# EAGLE board RedBoard-GiantPanel-v21a (EAGLE 7.5.0), part 3 of 4 (continued)
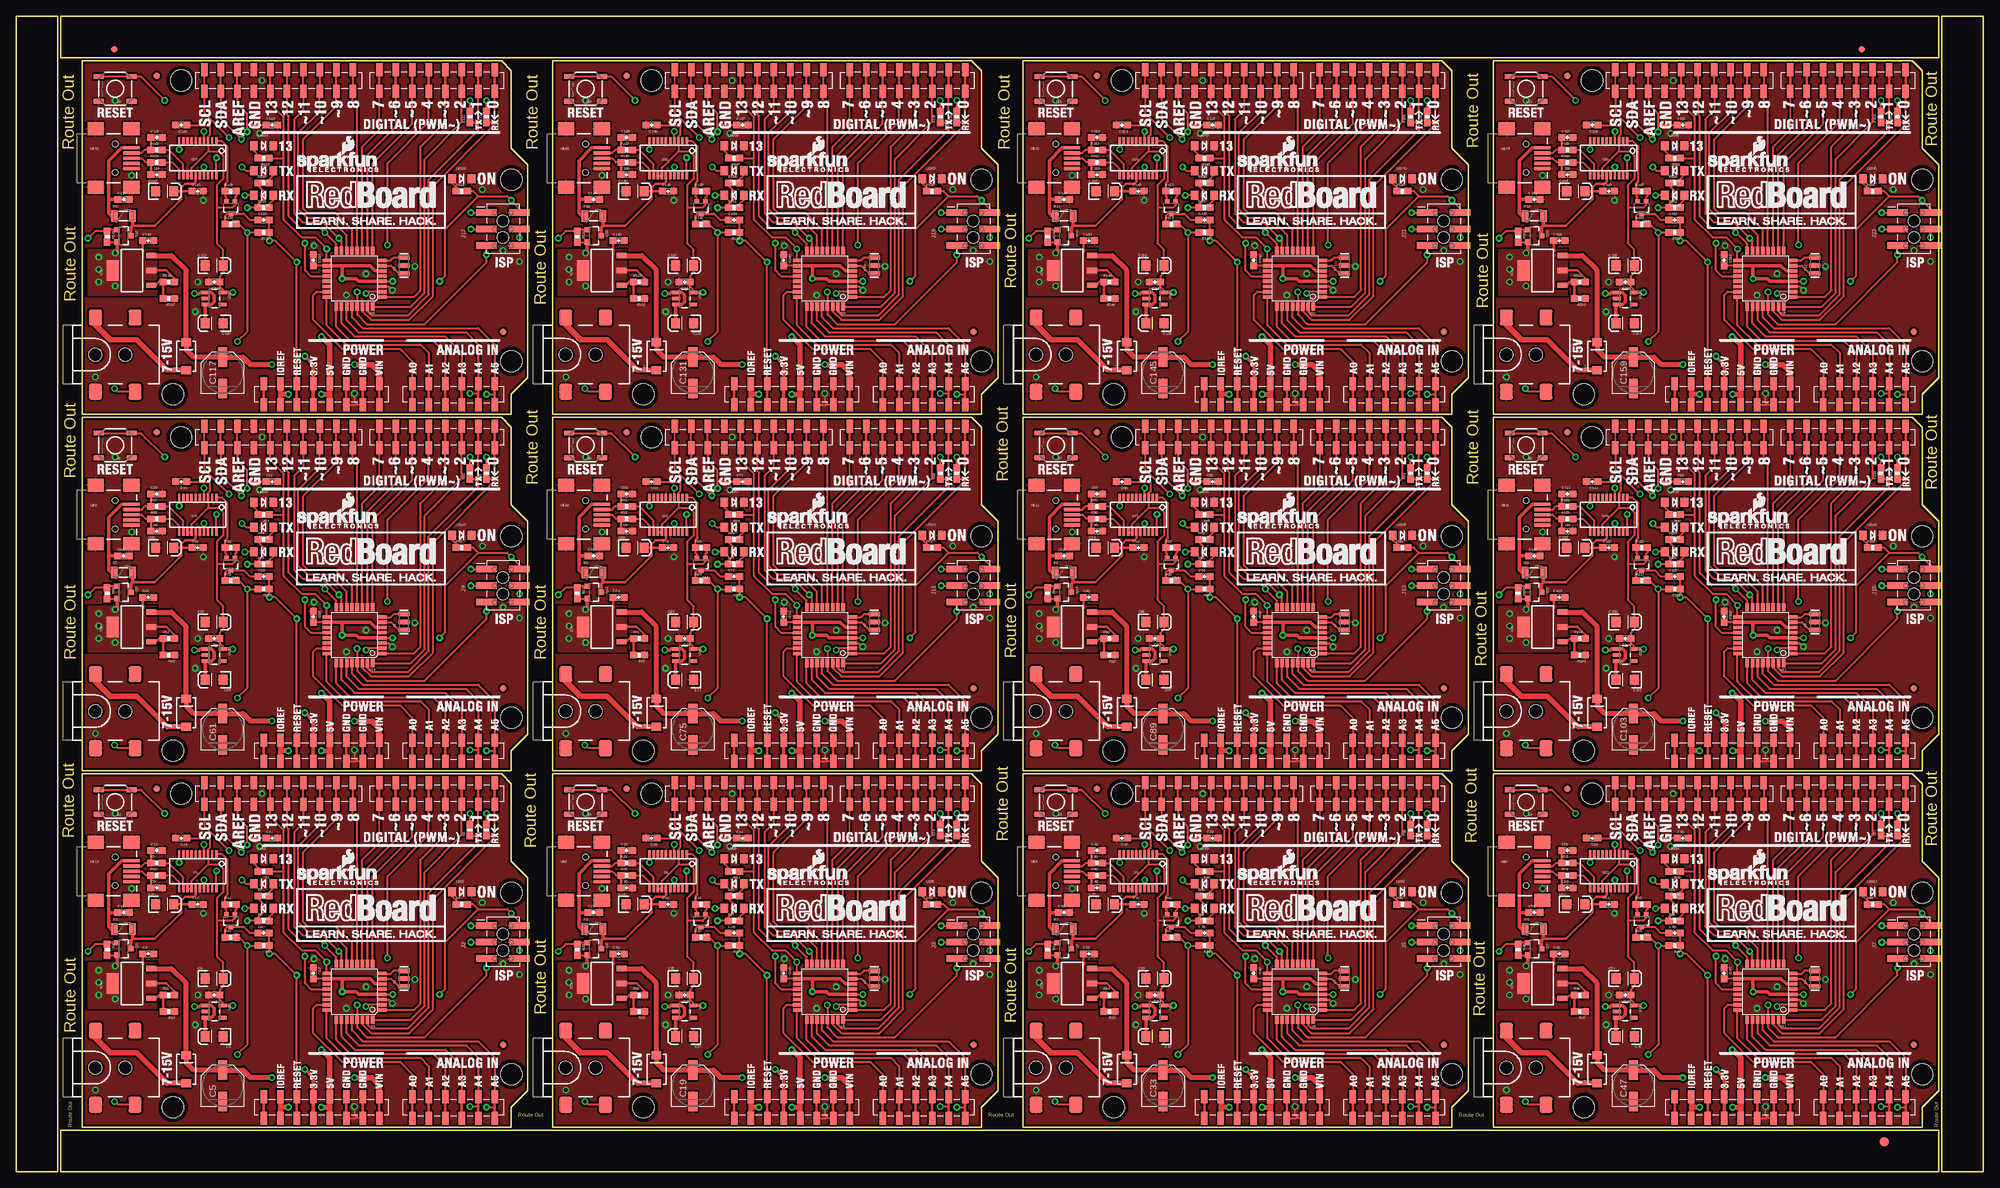
[diagram p0: board, top side]
## Tracks (layer width: path | path; a pad name or v marks a point on that pad's centre or on a via) (continued)
INSERT  (via drill 0.51)
  Top 0.305: J1.P$4 15.61,10.3 v15.11,10.79 | Q1.1 14.2,35.24 R4.1 12.15,35.01 v11.05,33.91
  Bottom 0.305: v15.11,10.79 15.11,19.68 11.05,23.75 v11.05,33.91
INSERT1  (via drill 0.51)
  Top 0.305: J4.P$4 88,10.3 v87.5,10.79 | Q3.1 86.59,35.24 R18.1 84.54,35.01 v83.44,33.91
  Bottom 0.305: v87.5,10.79 87.5,19.68 83.44,23.75 v83.44,33.91
INSERT2  (via drill 0.51)
  Top 0.305: J6.P$4 160.39,10.3 v159.89,10.79 | Q5.1 158.98,35.24 R32.1 156.93,35.01 v155.83,33.91
  Bottom 0.305: v159.89,10.79 159.89,19.68 155.83,23.75 v155.83,33.91
INSERT3  (via drill 0.51)
  Top 0.305: J8.P$4 232.78,10.3 v232.28,10.79 | Q7.1 231.37,35.24 R46.1 229.32,35.01 v228.22,33.91
  Bottom 0.305: v232.28,10.79 232.28,19.68 228.22,23.75 v228.22,33.91
INSERT4  (via drill 0.51)
  Top 0.305: J10.P$4 15.61,65.17 v15.11,65.66 | Q9.1 14.2,90.1 R60.1 12.15,89.88 v11.05,88.77
  Bottom 0.305: v15.11,65.66 15.11,74.55 11.05,78.61 v11.05,88.77
INSERT5  (via drill 0.51)
  Top 0.305: J12.P$4 88,65.17 v87.5,65.66 | Q11.1 86.59,90.1 R74.1 84.54,89.88 v83.44,88.77
  Bottom 0.305: v87.5,65.66 87.5,74.55 83.44,78.61 v83.44,88.77
INSERT6  (via drill 0.51)
  Top 0.305: J14.P$4 160.39,65.17 v159.89,65.66 | Q13.1 158.98,90.1 R88.1 156.93,89.88 v155.83,88.77
  Bottom 0.305: v159.89,65.66 159.89,74.55 155.83,78.61 v155.83,88.77
INSERT7  (via drill 0.51)
  Top 0.305: J16.P$4 232.78,65.17 v232.28,65.66 | Q15.1 231.37,90.1 R102.1 229.32,89.88 v228.22,88.77
  Bottom 0.305: v232.28,65.66 232.28,74.55 228.22,78.61 v228.22,88.77
INSERT8  (via drill 0.51)
  Top 0.305: J18.P$4 15.61,120.03 v15.11,120.52 | Q17.1 14.2,144.97 R116.1 12.15,144.74 v11.05,143.64
  Bottom 0.305: v15.11,120.52 15.11,129.41 11.05,133.48 v11.05,143.64
INSERT9  (via drill 0.51)
  Top 0.305: J20.P$4 88,120.03 v87.5,120.52 | Q19.1 86.59,144.97 R130.1 84.54,144.74 v83.44,143.64
  Bottom 0.305: v87.5,120.52 87.5,129.41 83.44,133.48 v83.44,143.64
INSERT10  (via drill 0.51)
  Top 0.305: J22.P$4 160.39,120.03 v159.89,120.52 | Q21.1 158.98,144.97 R144.1 156.93,144.74 v155.83,143.64
  Bottom 0.305: v159.89,120.52 159.89,129.41 155.83,133.48 v155.83,143.64
INSERT11  (via drill 0.51)
  Top 0.305: J24.P$4 232.78,120.03 v232.28,120.52 | Q23.1 231.37,144.97 R158.1 229.32,144.74 v228.22,143.64
  Bottom 0.305: v232.28,120.52 232.28,129.41 228.22,133.48 v228.22,143.64
IO1
  Top 0.305: IOL1.3 140.97,51.82 135.25,46.1 135.25,25.53 133.12,23.39 U5.32
IO2
  Top 0.305: IOL.3 68.58,51.82 62.87,46.1 62.87,25.53 60.73,23.39 U3.32
IO3
  Top 0.305: IOL.4 66.04,51.82 62.23,48.01 62.23,25.91 61.21,24.89 U3.1
IO4  (via drill 0.51)
  Top 0.305: v57.15,32.89 57.15,45.47 63.5,51.82 IOL.5 | U3.2 54.1,25.69 v53.85,25.43
  Bottom 0.305: v53.85,25.43 57.15,28.73 v57.15,32.89
IO5
  Top 0.305: U3.9 54.87,45.47 60.96,51.56 IOL.6
IO6
  Top 0.254: 58.42,51.09 IOL.7
  Top 0.305: U3.10 54.07,46.74 58.42,51.09
IO7
  Top 0.254: 55.88,50.62 IOL.8
  Top 0.305: U3.11 53.27,48.01 55.88,50.62
IO8
  Top 0.305: U3.12 52.47,53.96 51.82,54.61 JP2.10B JP2.10A
IO9
  Top 0.305: JP2.9A JP2.9B 49.28,54.21 44.2,49.13 44.2,38.48 44.96,37.72 49.15,37.72 51.67,35.2 U3.13
IO10
  Top 0.305: IOL1.4 138.43,51.82 134.62,48.01 134.62,25.91 133.6,24.89 U5.1
IO11  (via drill 0.51)
  Top 0.305: v129.54,32.89 129.54,45.47 135.89,51.82 IOL1.5 | U5.2 126.49,25.69 v126.24,25.43
  Bottom 0.305: v126.24,25.43 129.54,28.73 v129.54,32.89
IO12
  Top 0.305: U5.9 127.26,45.47 133.35,51.56 IOL1.6
IO13
  Top 0.254: 130.81,51.09 IOL1.7
  Top 0.305: U5.10 126.46,46.74 130.81,51.09
IO14
  Top 0.254: 128.27,50.62 IOL1.8
  Top 0.305: U5.11 125.66,48.01 128.27,50.62
IO15
  Top 0.305: U5.12 124.86,53.96 124.21,54.61 JP17.10B JP17.10A
IO16
  Top 0.305: JP17.9A JP17.9B 121.67,54.21 116.59,49.13 116.59,38.48 117.35,37.72 121.54,37.72 124.06,35.2 U5.13
IO17
  Top 0.305: IOL2.3 213.36,51.82 207.65,46.1 207.65,25.53 205.51,23.39 U8.32
IO18
  Top 0.305: IOL2.4 210.82,51.82 207.01,48.01 207.01,25.91 205.99,24.89 U8.1
IO19  (via drill 0.51)
  Top 0.305: v201.93,32.89 201.93,45.47 208.28,51.82 IOL2.5 | U8.2 198.88,25.69 v198.63,25.43
  Bottom 0.305: v198.63,25.43 201.93,28.73 v201.93,32.89
IO20
  Top 0.305: U8.9 199.65,45.47 205.74,51.56 IOL2.6
IO21
  Top 0.254: 203.2,51.09 IOL2.7
  Top 0.305: U8.10 198.85,46.74 203.2,51.09
IO22
  Top 0.254: 200.66,50.62 IOL2.8
  Top 0.305: U8.11 198.05,48.01 200.66,50.62
IO23
  Top 0.305: U8.12 197.25,53.96 196.6,54.61 JP27.10B JP27.10A
IO24
  Top 0.305: JP27.9A JP27.9B 194.06,54.21 188.98,49.13 188.98,38.48 189.74,37.72 193.93,37.72 196.45,35.2 U8.13
IO25
  Top 0.305: IOL3.3 285.75,51.82 280.04,46.1 280.04,25.53 277.9,23.39 U11.32
IO26
  Top 0.305: IOL3.4 283.21,51.82 279.4,48.01 279.4,25.91 278.38,24.89 U11.1
IO27  (via drill 0.51)
  Top 0.305: v274.32,32.89 274.32,45.47 280.67,51.82 IOL3.5 | U11.2 271.27,25.69 v271.02,25.43
  Bottom 0.305: v271.02,25.43 274.32,28.73 v274.32,32.89
IO28
  Top 0.305: U11.9 272.04,45.47 278.13,51.56 IOL3.6
IO29
  Top 0.254: 275.59,51.09 IOL3.7
  Top 0.305: U11.10 271.24,46.74 275.59,51.09
IO30
  Top 0.254: 273.05,50.62 IOL3.8
  Top 0.305: U11.11 270.44,48.01 273.05,50.62
IO31
  Top 0.305: U11.12 269.64,53.96 268.99,54.61 JP37.10B JP37.10A
IO32
  Top 0.305: JP37.9A JP37.9B 266.45,54.21 261.37,49.13 261.37,38.48 262.13,37.72 266.32,37.72 268.84,35.2 U11.13
IO33
  Top 0.305: IOL4.3 68.58,106.68 62.87,100.97 62.87,80.39 60.73,78.26 U14.32
IO34
  Top 0.305: IOL4.4 66.04,106.68 62.23,102.87 62.23,80.77 61.21,79.75 U14.1
IO35  (via drill 0.51)
  Top 0.305: v57.15,87.76 57.15,100.33 63.5,106.68 IOL4.5 | U14.2 54.1,80.55 v53.85,80.3
  Bottom 0.305: v53.85,80.3 57.15,83.6 v57.15,87.76
IO36
  Top 0.305: U14.9 54.87,100.33 60.96,106.42 IOL4.6
IO37
  Top 0.254: 58.42,105.95 IOL4.7
  Top 0.305: U14.10 54.07,101.6 58.42,105.95
IO38
  Top 0.254: 55.88,105.48 IOL4.8
  Top 0.305: U14.11 53.27,102.87 55.88,105.48
IO39
  Top 0.305: U14.12 52.47,108.82 51.82,109.47 JP47.10B JP47.10A
IO40
  Top 0.305: JP47.9A JP47.9B 49.28,109.07 44.2,103.99 44.2,93.34 44.96,92.58 49.15,92.58 51.67,90.06 U14.13
IO41
  Top 0.305: IOL5.3 140.97,106.68 135.25,100.97 135.25,80.39 133.12,78.26 U17.32
IO42
  Top 0.305: IOL5.4 138.43,106.68 134.62,102.87 134.62,80.77 133.6,79.75 U17.1
IO43  (via drill 0.51)
  Top 0.305: v129.54,87.76 129.54,100.33 135.89,106.68 IOL5.5 | U17.2 126.49,80.55 v126.24,80.3
  Bottom 0.305: v126.24,80.3 129.54,83.6 v129.54,87.76
IO44
  Top 0.305: U17.9 127.26,100.33 133.35,106.42 IOL5.6
IO45
  Top 0.254: 130.81,105.95 IOL5.7
  Top 0.305: U17.10 126.46,101.6 130.81,105.95
IO46
  Top 0.254: 128.27,105.48 IOL5.8
  Top 0.305: U17.11 125.66,102.87 128.27,105.48
IO47
  Top 0.305: U17.12 124.86,108.82 124.21,109.47 JP57.10B JP57.10A
IO48
  Top 0.305: JP57.9A JP57.9B 121.67,109.07 116.59,103.99 116.59,93.34 117.35,92.58 121.54,92.58 124.06,90.06 U17.13
IO49
  Top 0.305: IOL6.3 213.36,106.68 207.65,100.97 207.65,80.39 205.51,78.26 U20.32
IO50
  Top 0.305: IOL6.4 210.82,106.68 207.01,102.87 207.01,80.77 205.99,79.75 U20.1
IO51  (via drill 0.51)
  Top 0.305: v201.93,87.76 201.93,100.33 208.28,106.68 IOL6.5 | U20.2 198.88,80.55 v198.63,80.3
  Bottom 0.305: v198.63,80.3 201.93,83.6 v201.93,87.76
IO52
  Top 0.305: U20.9 199.65,100.33 205.74,106.42 IOL6.6
IO53
  Top 0.254: 203.2,105.95 IOL6.7
  Top 0.305: U20.10 198.85,101.6 203.2,105.95
IO54
  Top 0.254: 200.66,105.48 IOL6.8
  Top 0.305: U20.11 198.05,102.87 200.66,105.48
IO55
  Top 0.305: U20.12 197.25,108.82 196.6,109.47 JP67.10B JP67.10A
IO56
  Top 0.305: JP67.9A JP67.9B 194.06,109.07 188.98,103.99 188.98,93.34 189.74,92.58 193.93,92.58 196.45,90.06 U20.13
IO57
  Top 0.305: IOL7.3 285.75,106.68 280.04,100.97 280.04,80.39 277.9,78.26 U23.32
IO58
  Top 0.305: IOL7.4 283.21,106.68 279.4,102.87 279.4,80.77 278.38,79.75 U23.1
IO59  (via drill 0.51)
  Top 0.305: v274.32,87.76 274.32,100.33 280.67,106.68 IOL7.5 | U23.2 271.27,80.55 v271.02,80.3
  Bottom 0.305: v271.02,80.3 274.32,83.6 v274.32,87.76
IO60
  Top 0.305: U23.9 272.04,100.33 278.13,106.42 IOL7.6
IO61
  Top 0.254: 275.59,105.95 IOL7.7
  Top 0.305: U23.10 271.24,101.6 275.59,105.95
IO62
  Top 0.254: 273.05,105.48 IOL7.8
  Top 0.305: U23.11 270.44,102.87 273.05,105.48
IO63
  Top 0.305: U23.12 269.64,108.82 268.99,109.47 JP77.10B JP77.10A
IO64
  Top 0.305: JP77.9A JP77.9B 266.45,109.07 261.37,103.99 261.37,93.34 262.13,92.58 266.32,92.58 268.84,90.06 U23.13
IO65
  Top 0.305: IOL8.3 68.58,161.54 62.87,155.83 62.87,135.25 60.73,133.12 U26.32
IO66
  Top 0.305: IOL8.4 66.04,161.54 62.23,157.73 62.23,135.64 61.21,134.61 U26.1
IO67  (via drill 0.51)
  Top 0.305: v57.15,142.62 57.15,155.19 63.5,161.54 IOL8.5 | U26.2 54.1,135.41 v53.85,135.16
  Bottom 0.305: v53.85,135.16 57.15,138.46 v57.15,142.62
IO68
  Top 0.305: U26.9 54.87,155.19 60.96,161.28 IOL8.6
IO69
  Top 0.254: 58.42,160.81 IOL8.7
  Top 0.305: U26.10 54.07,156.46 58.42,160.81
IO70
  Top 0.254: 55.88,160.34 IOL8.8
  Top 0.305: U26.11 53.27,157.73 55.88,160.34
IO71
  Top 0.305: U26.12 52.47,163.68 51.82,164.34 JP87.10B JP87.10A
IO72
  Top 0.305: JP87.9A JP87.9B 49.28,163.94 44.2,158.86 44.2,148.21 44.96,147.45 49.15,147.45 51.67,144.93 U26.13
IO73
  Top 0.305: IOL9.3 140.97,161.54 135.25,155.83 135.25,135.25 133.12,133.12 U29.32
IO74
  Top 0.305: IOL9.4 138.43,161.54 134.62,157.73 134.62,135.64 133.6,134.61 U29.1
IO75  (via drill 0.51)
  Top 0.305: v129.54,142.62 129.54,155.19 135.89,161.54 IOL9.5 | U29.2 126.49,135.41 v126.24,135.16
  Bottom 0.305: v126.24,135.16 129.54,138.46 v129.54,142.62
IO76
  Top 0.305: U29.9 127.26,155.19 133.35,161.28 IOL9.6
IO77
  Top 0.254: 130.81,160.81 IOL9.7
  Top 0.305: U29.10 126.46,156.46 130.81,160.81
IO78
  Top 0.254: 128.27,160.34 IOL9.8
  Top 0.305: U29.11 125.66,157.73 128.27,160.34
IO79
  Top 0.305: U29.12 124.86,163.68 124.21,164.34 JP97.10B JP97.10A
IO80
  Top 0.305: JP97.9A JP97.9B 121.67,163.94 116.59,158.86 116.59,148.21 117.35,147.45 121.54,147.45 124.06,144.93 U29.13
IO81
  Top 0.305: IOL10.3 213.36,161.54 207.65,155.83 207.65,135.25 205.51,133.12 U32.32
IO82
  Top 0.305: IOL10.4 210.82,161.54 207.01,157.73 207.01,135.64 205.99,134.61 U32.1
IO83  (via drill 0.51)
  Top 0.305: v201.93,142.62 201.93,155.19 208.28,161.54 IOL10.5 | U32.2 198.88,135.41 v198.63,135.16
  Bottom 0.305: v198.63,135.16 201.93,138.46 v201.93,142.62
IO84
  Top 0.305: U32.9 199.65,155.19 205.74,161.28 IOL10.6
IO85
  Top 0.254: 203.2,160.81 IOL10.7
  Top 0.305: U32.10 198.85,156.46 203.2,160.81
IO86
  Top 0.254: 200.66,160.34 IOL10.8
  Top 0.305: U32.11 198.05,157.73 200.66,160.34
IO87
  Top 0.305: U32.12 197.25,163.68 196.6,164.34 JP107.10B JP107.10A
IO88
  Top 0.305: JP107.9A JP107.9B 194.06,163.94 188.98,158.86 188.98,148.21 189.74,147.45 193.93,147.45 196.45,144.93 U32.13
IO89
  Top 0.305: IOL11.3 285.75,161.54 280.04,155.83 280.04,135.25 277.9,133.12 U35.32
IO90
  Top 0.305: IOL11.4 283.21,161.54 279.4,157.73 279.4,135.64 278.38,134.61 U35.1
IO91  (via drill 0.51)
  Top 0.305: v274.32,142.62 274.32,155.19 280.67,161.54 IOL11.5 | U35.2 271.27,135.41 v271.02,135.16
  Bottom 0.305: v271.02,135.16 274.32,138.46 v274.32,142.62
IO92
  Top 0.305: U35.9 272.04,155.19 278.13,161.28 IOL11.6
IO93
  Top 0.254: 275.59,160.81 IOL11.7
  Top 0.305: U35.10 271.24,156.46 275.59,160.81
IO94
  Top 0.254: 273.05,160.34 IOL11.8
  Top 0.305: U35.11 270.44,157.73 273.05,160.34
IO95
  Top 0.305: U35.12 269.64,163.68 268.99,164.34 JP117.10B JP117.10A
IO96
  Top 0.305: JP117.9A JP117.9B 266.45,163.94 261.37,158.86 261.37,148.21 262.13,147.45 266.32,147.45 268.84,144.93 U35.13
MISO  (via drill 0.51)
  Top 0.305: U3.16 49.27,33.03 v47.5,34.8 46.86,35.43 43.81,35.43 41.96,37.29 41.96,52.7 41.66,53.01 JP2.6B JP2.6A | v69.98,37.85 J2.1
  Bottom 0.305: v47.5,34.8 49.4,36.7 68.83,36.7 v69.98,37.85 TP4.P$1
MISO1  (via drill 0.51)
  Top 0.305: U5.16 121.66,33.03 v119.89,34.8 119.25,35.43 116.2,35.43 114.35,37.29 114.35,52.7 114.05,53.01 JP17.6B JP17.6A | v142.37,37.85 J3.1
  Bottom 0.305: v119.89,34.8 121.79,36.7 141.22,36.7 v142.37,37.85 TP10.P$1
MISO2  (via drill 0.51)
  Top 0.305: U8.16 194.05,33.03 v192.28,34.8 191.64,35.43 188.59,35.43 186.74,37.29 186.74,52.7 186.44,53.01 JP27.6B JP27.6A | v214.76,37.85 J5.1
  Bottom 0.305: v192.28,34.8 194.18,36.7 213.61,36.7 v214.76,37.85 TP16.P$1
MISO3  (via drill 0.51)
  Top 0.305: U11.16 266.44,33.03 v264.67,34.8 264.03,35.43 260.99,35.43 259.13,37.29 259.13,52.7 258.83,53.01 JP37.6B JP37.6A | v287.15,37.85 J7.1
  Bottom 0.305: v264.67,34.8 266.57,36.7 286,36.7 v287.15,37.85 TP22.P$1
MISO4  (via drill 0.51)
  Top 0.305: U14.16 49.27,87.89 v47.5,89.66 46.86,90.3 43.81,90.3 41.96,92.15 41.96,107.57 41.66,107.87 JP47.6B JP47.6A | v69.98,92.71 J9.1
  Bottom 0.305: v47.5,89.66 49.4,91.57 68.83,91.57 v69.98,92.71 TP28.P$1
MISO5  (via drill 0.51)
  Top 0.305: U17.16 121.66,87.89 v119.89,89.66 119.25,90.3 116.2,90.3 114.35,92.15 114.35,107.57 114.05,107.87 JP57.6B JP57.6A | v142.37,92.71 J11.1
  Bottom 0.305: v119.89,89.66 121.79,91.57 141.22,91.57 v142.37,92.71 TP34.P$1
MISO6  (via drill 0.51)
  Top 0.305: U20.16 194.05,87.89 v192.28,89.66 191.64,90.3 188.59,90.3 186.74,92.15 186.74,107.57 186.44,107.87 JP67.6B JP67.6A | v214.76,92.71 J13.1
  Bottom 0.305: v192.28,89.66 194.18,91.57 213.61,91.57 v214.76,92.71 TP40.P$1
MISO7  (via drill 0.51)
  Top 0.305: U23.16 266.44,87.89 v264.67,89.66 264.03,90.3 260.99,90.3 259.13,92.15 259.13,107.57 258.83,107.87 JP77.6B JP77.6A | v287.15,92.71 J15.1
  Bottom 0.305: v264.67,89.66 266.57,91.57 286,91.57 v287.15,92.71 TP46.P$1
MISO8  (via drill 0.51)
  Top 0.305: U26.16 49.27,142.75 v47.5,144.53 46.86,145.16 43.81,145.16 41.96,147.01 41.96,162.43 41.66,162.74 JP87.6B JP87.6A | v69.98,147.57 J17.1
  Bottom 0.305: v47.5,144.53 49.4,146.43 68.83,146.43 v69.98,147.57 TP52.P$1
MISO9  (via drill 0.51)
  Top 0.305: U29.16 121.66,142.75 v119.89,144.53 119.25,145.16 116.2,145.16 114.35,147.01 114.35,162.43 114.05,162.74 JP97.6B JP97.6A | v142.37,147.57 J19.1
  Bottom 0.305: v119.89,144.53 121.79,146.43 141.22,146.43 v142.37,147.57 TP58.P$1
MISO10  (via drill 0.51)
  Top 0.305: U32.16 194.05,142.75 v192.28,144.53 191.64,145.16 188.59,145.16 186.74,147.01 186.74,162.43 186.44,162.74 JP107.6B JP107.6A | v214.76,147.57 J21.1
  Bottom 0.305: v192.28,144.53 194.18,146.43 213.61,146.43 v214.76,147.57 TP64.P$1
MISO11  (via drill 0.51)
  Top 0.305: U35.16 266.44,142.75 v264.67,144.53 264.03,145.16 260.99,145.16 259.13,147.01 259.13,162.43 258.83,162.74 JP117.6B JP117.6A | v287.15,147.57 J23.1
  Bottom 0.305: v264.67,144.53 266.57,146.43 286,146.43 v287.15,147.57 TP70.P$1
MOSI  (via drill 0.51)
  Top 0.305: U3.15 50.07,33.5 v49.66,33.91 47.24,36.32 44.2,36.32 42.8,37.72 42.8,52.2 44.2,53.59 JP2.7B JP2.7A | J2.4 v77.47,34.04
  Bottom 0.305: v49.66,33.91 67.06,33.91 71.12,29.84 75.06,29.84 77.47,32.26 v77.47,34.04 77.47,34.8 76.96,35.31 TP2.P$1
MOSI1  (via drill 0.51)
  Top 0.305: U5.15 122.46,33.5 v122.05,33.91 119.63,36.32 116.59,36.32 115.19,37.72 115.19,52.2 116.59,53.59 JP17.7B JP17.7A | J3.4 v149.86,34.04
  Bottom 0.305: v122.05,33.91 139.45,33.91 143.51,29.84 147.45,29.84 149.86,32.26 v149.86,34.04 149.86,34.8 149.35,35.31 TP8.P$1
MOSI2  (via drill 0.51)
  Top 0.305: U8.15 194.85,33.5 v194.44,33.91 192.02,36.32 188.98,36.32 187.58,37.72 187.58,52.2 188.98,53.59 JP27.7B JP27.7A | J5.4 v222.25,34.04
  Bottom 0.305: v194.44,33.91 211.84,33.91 215.9,29.84 219.84,29.84 222.25,32.26 v222.25,34.04 222.25,34.8 221.74,35.31 TP14.P$1
MOSI3  (via drill 0.51)
  Top 0.305: U11.15 267.24,33.5 v266.83,33.91 264.41,36.32 261.37,36.32 259.97,37.72 259.97,52.2 261.37,53.59 JP37.7B JP37.7A | J7.4 v294.64,34.04
  Bottom 0.305: v266.83,33.91 284.23,33.91 288.29,29.84 292.23,29.84 294.64,32.26 v294.64,34.04 294.64,34.8 294.13,35.31 TP20.P$1
MOSI4  (via drill 0.51)
  Top 0.305: U14.15 50.07,88.36 v49.66,88.77 47.24,91.19 44.2,91.19 42.8,92.58 42.8,107.06 44.2,108.46 JP47.7B JP47.7A | J9.4 v77.47,88.9
  Bottom 0.305: v49.66,88.77 67.06,88.77 71.12,84.71 75.06,84.71 77.47,87.12 v77.47,88.9 77.47,89.66 76.96,90.17 TP26.P$1
MOSI5  (via drill 0.51)
  Top 0.305: U17.15 122.46,88.36 v122.05,88.77 119.63,91.19 116.59,91.19 115.19,92.58 115.19,107.06 116.59,108.46 JP57.7B JP57.7A | J11.4 v149.86,88.9
  Bottom 0.305: v122.05,88.77 139.45,88.77 143.51,84.71 147.45,84.71 149.86,87.12 v149.86,88.9 149.86,89.66 149.35,90.17 TP32.P$1
MOSI6  (via drill 0.51)
  Top 0.305: U20.15 194.85,88.36 v194.44,88.77 192.02,91.19 188.98,91.19 187.58,92.58 187.58,107.06 188.98,108.46 JP67.7B JP67.7A | J13.4 v222.25,88.9
  Bottom 0.305: v194.44,88.77 211.84,88.77 215.9,84.71 219.84,84.71 222.25,87.12 v222.25,88.9 222.25,89.66 221.74,90.17 TP38.P$1
MOSI7  (via drill 0.51)
  Top 0.305: U23.15 267.24,88.36 v266.83,88.77 264.41,91.19 261.37,91.19 259.97,92.58 259.97,107.06 261.37,108.46 JP77.7B JP77.7A | J15.4 v294.64,88.9
  Bottom 0.305: v266.83,88.77 284.23,88.77 288.29,84.71 292.23,84.71 294.64,87.12 v294.64,88.9 294.64,89.66 294.13,90.17 TP44.P$1
MOSI8  (via drill 0.51)
  Top 0.305: U26.15 50.07,143.22 v49.66,143.64 47.24,146.05 44.2,146.05 42.8,147.45 42.8,161.93 44.2,163.32 JP87.7B JP87.7A | J17.4 v77.47,143.76
  Bottom 0.305: v49.66,143.64 67.06,143.64 71.12,139.57 75.06,139.57 77.47,141.99 v77.47,143.76 77.47,144.53 76.96,145.03 TP50.P$1
MOSI9  (via drill 0.51)
  Top 0.305: U29.15 122.46,143.22 v122.05,143.64 119.63,146.05 116.59,146.05 115.19,147.45 115.19,161.93 116.59,163.32 JP97.7B JP97.7A | J19.4 v149.86,143.76
  Bottom 0.305: v122.05,143.64 139.45,143.64 143.51,139.57 147.45,139.57 149.86,141.99 v149.86,143.76 149.86,144.53 149.35,145.03 TP56.P$1
MOSI10  (via drill 0.51)
  Top 0.305: U32.15 194.85,143.22 v194.44,143.64 192.02,146.05 188.98,146.05 187.58,147.45 187.58,161.93 188.98,163.32 JP107.7B JP107.7A | J21.4 v222.25,143.76
  Bottom 0.305: v194.44,143.64 211.84,143.64 215.9,139.57 219.84,139.57 222.25,141.99 v222.25,143.76 222.25,144.53 221.74,145.03 TP62.P$1
MOSI11  (via drill 0.51)
  Top 0.305: U35.15 267.24,143.22 v266.83,143.64 264.41,146.05 261.37,146.05 259.97,147.45 259.97,161.93 261.37,163.32 JP117.7B JP117.7A | J23.4 v294.64,143.76
  Bottom 0.305: v266.83,143.64 284.23,143.64 288.29,139.57 292.23,139.57 294.64,141.99 v294.64,143.76 294.64,144.53 294.13,145.03 TP68.P$1
N$1
  Top 0.305: R1.2 37.25,46.7 36.6,47.35 LED1.A
N$2
  Top 0.356: R2.1 67.73,41.74 67.08,42.39 LED2.A
N$3
  Top 0.305: U3.7 57.69,29.69 58.86,28.52 Y1.1
N$4
  Top 0.305: U3.8 57.66,30.49 58.1,30.92 Y1.3
N$5
  Top 0.356: R16.1 140.12,41.74 139.47,42.39 LED5.A
N$6
  Top 0.305: R5.2 23.5,47.5 25.72,45.28 U1.12
N$7
  Top 0.305: U1.11 25.08,44.51 24,45.59 R10.2
N$8
  Top 0.305: R6.2 38.95,39.2 39.6,39.85 LED3.A
N$9
  Top 0.305: R13.2 109.64,46.7 108.99,47.35 LED6.A
N$10
  Top 0.305: LED4.A 39.6,43.66 38.95,43.01 R7.2
N$11
  Top 0.406: IC1.1 93.87,26.68 94.36,27.18 R20.1 R19.2
N$12
  Top 0.305: Q2.2 32.37,40.15 32.17,40.35 R11.1 32.17,42.33 32.51,42.67 32.51,48.01 31.61,48.91 U1.1
N$13
  Top 0.305: U5.7 130.08,29.69 131.25,28.52 Y2.1
N$14
  Top 0.305: U5.8 130.05,30.49 130.49,30.92 Y2.3
N$15
  Top 0.406: IC3.1 21.48,26.68 21.97,27.18 R15.1 R14.2
N$16
  Top 0.305: R21.2 111.34,39.2 111.99,39.85 LED8.A
N$17
  Top 0.305: LED7.A 111.99,43.66 111.34,43.01 R22.2
N$18
  Top 0.305: R25.2 95.89,47.5 98.11,45.28 U6.12
N$19
  Top 0.305: U6.11 97.47,44.51 96.39,45.59 R26.2
N$20
  Top 0.305: Q4.2 104.76,40.15 104.56,40.35 R27.1 104.56,42.33 104.9,42.67 104.9,48.01 104,48.91 U6.1
N$21
  Top 0.356: R30.1 212.51,41.74 211.86,42.39 LED9.A
N$22
  Top 0.305: R29.2 182.03,46.7 181.38,47.35 LED10.A
N$23
  Top 0.406: IC2.1 166.26,26.68 166.75,27.18 R34.1 R33.2
N$24
  Top 0.305: U8.7 202.47,29.69 203.64,28.52 Y3.1
N$25
  Top 0.305: U8.8 202.44,30.49 202.88,30.92 Y3.3
N$26
  Top 0.305: R35.2 183.73,39.2 184.38,39.85 LED12.A
N$27
  Top 0.305: LED11.A 184.38,43.66 183.73,43.01 R36.2
N$28
  Top 0.305: R39.2 168.28,47.5 170.5,45.28 U9.12
N$29
  Top 0.305: U9.11 169.86,44.51 168.78,45.59 R40.2
N$30
  Top 0.305: Q6.2 177.15,40.15 176.95,40.35 R41.1 176.95,42.33 177.29,42.67 177.29,48.01 176.39,48.91 U9.1
N$31
  Top 0.356: R44.1 284.9,41.74 284.25,42.39 LED13.A
N$32
  Top 0.305: R43.2 254.42,46.7 253.77,47.35 LED14.A
N$33
  Top 0.406: IC4.1 238.65,26.68 239.14,27.18 R48.1 R47.2
N$34
  Top 0.305: U11.7 274.86,29.69 276.03,28.52 Y4.1
N$35
  Top 0.305: U11.8 274.83,30.49 275.27,30.92 Y4.3
N$36
  Top 0.305: R49.2 256.12,39.2 256.77,39.85 LED16.A
N$37
  Top 0.305: LED15.A 256.77,43.66 256.12,43.01 R50.2
N$38
  Top 0.305: R53.2 240.66,47.5 242.89,45.28 U12.12
N$39
  Top 0.305: U12.11 242.25,44.51 241.17,45.59 R54.2
N$40
  Top 0.305: Q8.2 249.54,40.15 249.34,40.35 R55.1 249.34,42.33 249.68,42.67 249.68,48.01 248.78,48.91 U12.1
N$41
  Top 0.356: R58.1 67.73,96.61 67.08,97.26 LED17.A
N$42
  Top 0.305: R57.2 37.25,101.56 36.6,102.21 LED18.A
N$43
  Top 0.406: IC5.1 21.48,81.55 21.97,82.04 R62.1 R61.2
N$44
  Top 0.305: U14.7 57.69,84.55 58.86,83.38 Y5.1
N$45
  Top 0.305: U14.8 57.66,85.35 58.1,85.78 Y5.3
N$46
  Top 0.305: R63.2 38.95,94.07 39.6,94.72 LED20.A
N$47
  Top 0.305: LED19.A 39.6,98.53 38.95,97.88 R64.2
N$48
  Top 0.305: R67.2 23.5,102.36 25.72,100.14 U15.12
N$49
  Top 0.305: U15.11 25.08,99.38 24,100.46 R68.2
N$50
  Top 0.305: Q10.2 32.37,95.01 32.17,95.21 R69.1 32.17,97.19 32.51,97.54 32.51,102.87 31.61,103.77 U15.1
N$51
  Top 0.356: R72.1 140.12,96.61 139.47,97.26 LED21.A
N$52
  Top 0.305: R71.2 109.64,101.56 108.99,102.21 LED22.A
N$53
  Top 0.406: IC6.1 93.87,81.55 94.36,82.04 R76.1 R75.2
N$54
  Top 0.305: U17.7 130.08,84.55 131.25,83.38 Y6.1
N$55
  Top 0.305: U17.8 130.05,85.35 130.49,85.78 Y6.3
N$56
  Top 0.305: R77.2 111.34,94.07 111.99,94.72 LED24.A
N$57
  Top 0.305: LED23.A 111.99,98.53 111.34,97.88 R78.2
N$58
  Top 0.305: R81.2 95.89,102.36 98.11,100.14 U18.12
N$59
  Top 0.305: U18.11 97.47,99.38 96.39,100.46 R82.2
N$60
  Top 0.305: Q12.2 104.76,95.01 104.56,95.21 R83.1 104.56,97.19 104.9,97.54 104.9,102.87 104,103.77 U18.1
N$61
  Top 0.356: R86.1 212.51,96.61 211.86,97.26 LED25.A
N$62
  Top 0.305: R85.2 182.03,101.56 181.38,102.21 LED26.A
N$63
  Top 0.406: IC7.1 166.26,81.55 166.75,82.04 R90.1 R89.2
N$64
  Top 0.305: U20.7 202.47,84.55 203.64,83.38 Y7.1
N$65
  Top 0.305: U20.8 202.44,85.35 202.88,85.78 Y7.3
N$66
  Top 0.305: R91.2 183.73,94.07 184.38,94.72 LED28.A
N$67
  Top 0.305: LED27.A 184.38,98.53 183.73,97.88 R92.2
N$68
  Top 0.305: R95.2 168.28,102.36 170.5,100.14 U21.12
N$69
  Top 0.305: U21.11 169.86,99.38 168.78,100.46 R96.2
N$70
  Top 0.305: Q14.2 177.15,95.01 176.95,95.21 R97.1 176.95,97.19 177.29,97.54 177.29,102.87 176.39,103.77 U21.1
N$71
  Top 0.356: R100.1 284.9,96.61 284.25,97.26 LED29.A
N$72
  Top 0.305: R99.2 254.42,101.56 253.77,102.21 LED30.A
N$73
  Top 0.406: IC8.1 238.65,81.55 239.14,82.04 R104.1 R103.2
N$74
  Top 0.305: U23.7 274.86,84.55 276.03,83.38 Y8.1
N$75
  Top 0.305: U23.8 274.83,85.35 275.27,85.78 Y8.3
N$76
  Top 0.305: R105.2 256.12,94.07 256.77,94.72 LED32.A
N$77
  Top 0.305: LED31.A 256.77,98.53 256.12,97.88 R106.2
N$78
  Top 0.305: R109.2 240.66,102.36 242.89,100.14 U24.12
N$79
  Top 0.305: U24.11 242.25,99.38 241.17,100.46 R110.2
N$80
  Top 0.305: Q16.2 249.54,95.01 249.34,95.21 R111.1 249.34,97.19 249.68,97.54 249.68,102.87 248.78,103.77 U24.1
N$81
  Top 0.356: R114.1 67.73,151.47 67.08,152.12 LED33.A
N$82
  Top 0.305: R113.2 37.25,156.43 36.6,157.07 LED34.A
N$83
  Top 0.406: IC9.1 21.48,136.41 21.97,136.91 R118.1 R117.2
N$84
  Top 0.305: U26.7 57.69,139.41 58.86,138.25 Y9.1
N$85
  Top 0.305: U26.8 57.66,140.21 58.1,140.65 Y9.3
N$86
  Top 0.305: R119.2 38.95,148.93 39.6,149.58 LED36.A
N$87
  Top 0.305: LED35.A 39.6,153.39 38.95,152.74 R120.2
N$88
  Top 0.305: R123.2 23.5,157.23 25.72,155 U27.12
N$89
  Top 0.305: U27.11 25.08,154.24 24,155.32 R124.2
N$90
  Top 0.305: Q18.2 32.37,149.88 32.17,150.07 R125.1 32.17,152.06 32.51,152.4 32.51,157.73 31.61,158.64 U27.1
N$91
  Top 0.356: R128.1 140.12,151.47 139.47,152.12 LED37.A
N$92
  Top 0.305: R127.2 109.64,156.43 108.99,157.07 LED38.A
N$93
  Top 0.406: IC10.1 93.87,136.41 94.36,136.91 R132.1 R131.2
N$94
  Top 0.305: U29.7 130.08,139.41 131.25,138.25 Y10.1
N$95
  Top 0.305: U29.8 130.05,140.21 130.49,140.65 Y10.3
N$96
  Top 0.305: R133.2 111.34,148.93 111.99,149.58 LED40.A
N$97
  Top 0.305: LED39.A 111.99,153.39 111.34,152.74 R134.2
N$98
  Top 0.305: R137.2 95.89,157.23 98.11,155 U30.12
N$99
  Top 0.305: U30.11 97.47,154.24 96.39,155.32 R138.2
N$100
  Top 0.305: Q20.2 104.76,149.88 104.56,150.07 R139.1 104.56,152.06 104.9,152.4 104.9,157.73 104,158.64 U30.1
N$101
  Top 0.356: R142.1 212.51,151.47 211.86,152.12 LED41.A
N$102
  Top 0.305: R141.2 182.03,156.43 181.38,157.07 LED42.A
N$103
  Top 0.406: IC11.1 166.26,136.41 166.75,136.91 R146.1 R145.2
N$104
  Top 0.305: U32.7 202.47,139.41 203.64,138.25 Y11.1
N$105
  Top 0.305: U32.8 202.44,140.21 202.88,140.65 Y11.3
N$106
  Top 0.305: R147.2 183.73,148.93 184.38,149.58 LED44.A
N$107
  Top 0.305: LED43.A 184.38,153.39 183.73,152.74 R148.2
N$108
  Top 0.305: R151.2 168.28,157.23 170.5,155 U33.12
N$109
  Top 0.305: U33.11 169.86,154.24 168.78,155.32 R152.2
N$110
  Top 0.305: Q22.2 177.15,149.88 176.95,150.07 R153.1 176.95,152.06 177.29,152.4 177.29,157.73 176.39,158.64 U33.1
N$111
  Top 0.356: R156.1 284.9,151.47 284.25,152.12 LED45.A
N$112
  Top 0.305: R155.2 254.42,156.43 253.77,157.07 LED46.A
N$113
  Top 0.406: IC12.1 238.65,136.41 239.14,136.91 R160.1 R159.2
N$114
  Top 0.305: U35.7 274.86,139.41 276.03,138.25 Y12.1
N$115
  Top 0.305: U35.8 274.83,140.21 275.27,140.65 Y12.3
N$116
  Top 0.305: R161.2 256.12,148.93 256.77,149.58 LED48.A
N$117
  Top 0.305: LED47.A 256.77,153.39 256.12,152.74 R162.2
N$118
  Top 0.305: R165.2 240.66,157.23 242.89,155 U36.12
N$119
  Top 0.305: U36.11 242.25,154.24 241.17,155.32 R166.2
N$120
  Top 0.305: Q24.2 249.54,149.88 249.34,150.07 R167.1 249.34,152.06 249.68,152.4 249.68,157.73 248.78,158.64 U36.1
PWRIN
  Top 0.762: D1.A 23.23,13.6 18.54,18.29
  Top 0.813: 18.54,18.29 14.48,18.29 12.19,20.57 J1.VIN0
PWRIN1
  Top 0.762: D2.A 95.62,13.6 90.93,18.29
  Top 0.813: 90.93,18.29 86.87,18.29 84.58,20.57 J4.VIN0
PWRIN2
  Top 0.762: D3.A 168.01,13.6 163.32,18.29
  Top 0.813: 163.32,18.29 159.26,18.29 156.97,20.57 J6.VIN0